# KiCad board Turbo_XT_Mainboard R3.kicad_pcb (continued)
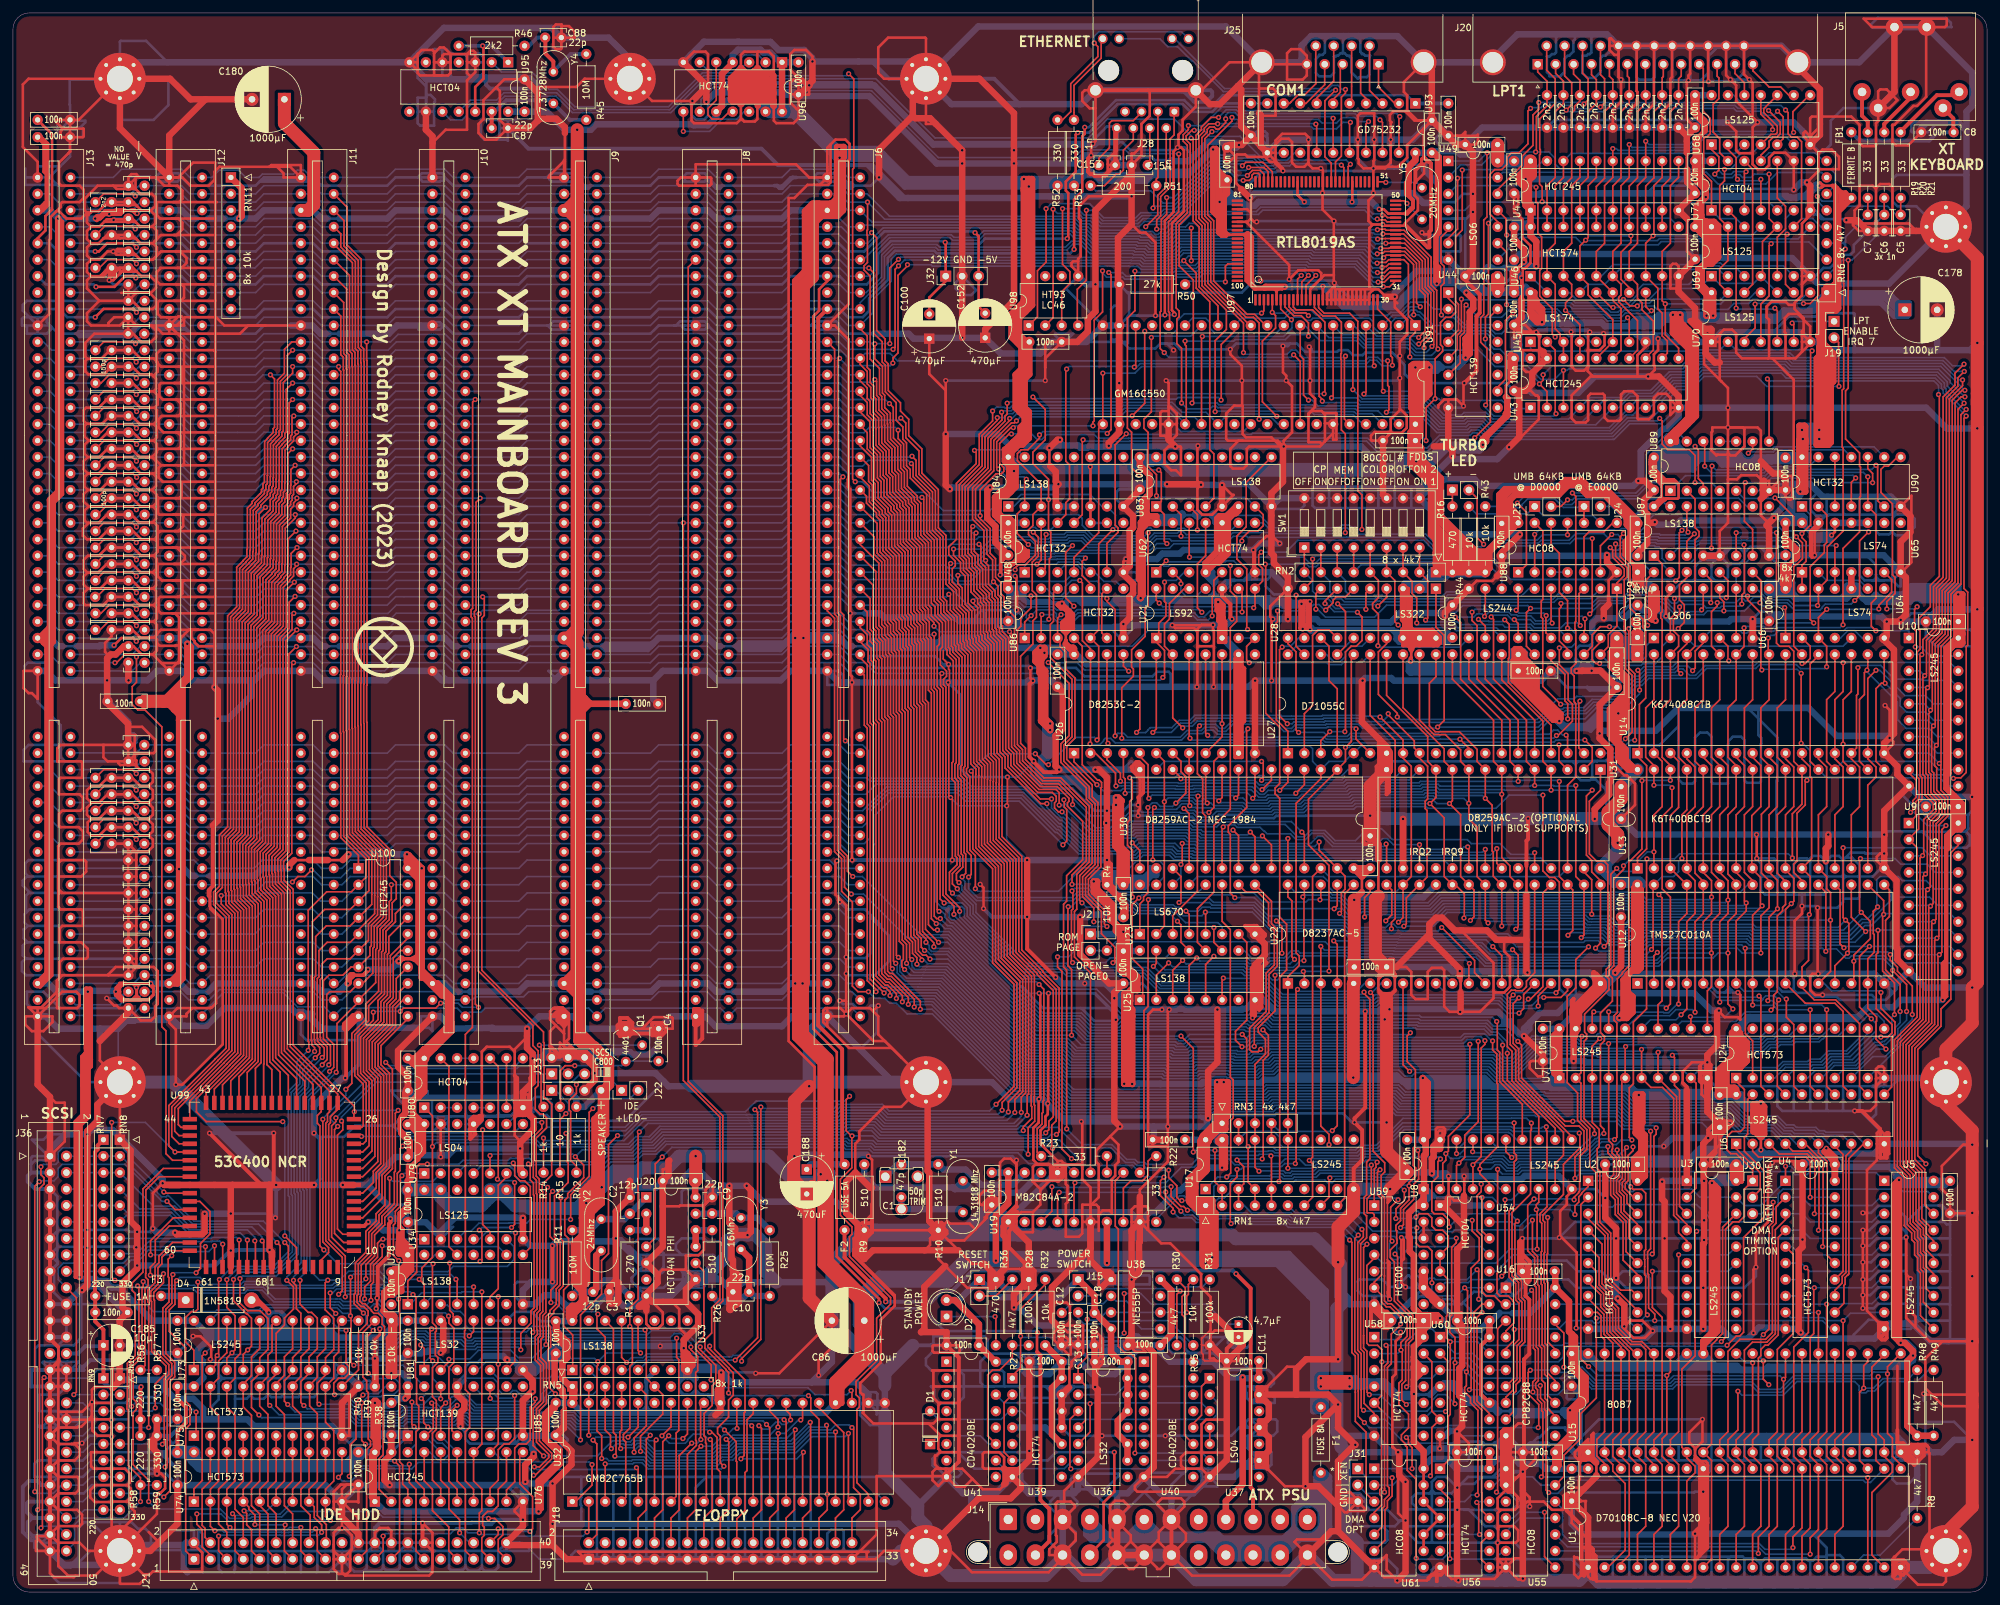
[diagram p0: board, top side]
## Routing (per net, layer and track width the routed paths; a pad name or vN(x,y) marks a point on that pad's centre or on a via; arc(x,y) is an arc through that point) (continued)
  Bottom w0.4: 39.12,42.93 39.12,42.8 ; 39.12,42.93 39.12,43.31 40.51,43.31 ; 39.12,42.93 39.37,43.18 v1(39.5,43.18) ; 39.12,42.93 39.3,42.74 39.3,41.33 38.92,40.96 ; 39.12,42.8 v1(39.5,43.18) ; 39.12,42.8 39.37,42.55 39.37,41.4 ; 29.28,36.13 29.28,35.74 ; 29.28,36.13 28.58,36.83 28.58,37.08 ; 29.28,36.13 29.59,35.81 29.59,35.18 29.28,34.87 29.28,34.47 ; 29.28,35.74 29.28,34.47 ; 29.28,35.74 29.28,34.87 ; 29.28,35.74 28.58,36.44 28.58,37.08 ; 29.28,35.74 29.28,34.98 ; U33.6 97.66,32.89 97.66,32.38 97.72,32.33 97.72,31.17 97.66,31.12 97.66,29.84 97.72,29.79 97.72,28.63 97.66,28.58 ; U33.6 97.92,33.15 97.92,32.38 ; U33.6 99.06,33.78 97.92,32.64 97.92,32.38 ; 97.92,32.38 97.86,32.33 97.86,31.17 97.92,31.12 97.92,29.84 97.86,29.79 97.86,28.63 97.92,28.58 ; 41.53,41.02 41.21,40.7 ; 41.53,41.02 41.53,40.51 41.15,40.13 40.64,40.13 39.37,41.4 ; 41.53,41.02 41.98,41.47 ; 41.21,40.7 40.64,40.13 40.51,40.13 ; 41.21,40.7 41.15,40.64 40,40.64 ; 39.5,42.67 40,43.18 ; 40,43.18 40.64,43.18 ; 40,43.18 v1(39.5,43.18) ; 91.06,146.05 88.9,146.05 ; 21.27,147.32 19.56,147.32 v1(19.05,146.81) ; 222.5,40.39 222.5,40.64 220.85,42.29 v1(220.34,42.29) ; 41.98,41.47 41.98,42.35 ; 41.98,41.47 41.98,41.33 43.18,40.13 43.31,40.13 ; 41.98,41.47 41.98,41.22 ; 41.98,42.35 41.98,42.74 42.04,42.8 41.53,43.31 40.51,43.31 ; 41.98,42.35 41.98,42.48 41.91,42.55 ; 184.15,157.35 185.42,156.08 185.42,154.43 184.78,153.8 184.78,153.67 ; 219.84,60.96 218.57,62.23 U8.1 ; 219.84,60.96 220.85,60.96 ; 219.84,60.96 219.46,60.96 ; 40.64,43.18 41.27,43.18 ; 40.64,43.18 41.15,43.18 ; 29.14,34.36 29.14,35.41 28.83,35.72 28.83,35.81 ; 29.14,34.36 29.14,32.84 29.15,32.83 ; 29.14,34.36 29.14,35.5 28.83,35.81 ; 40,40.64 40.51,40.13 ; 40,40.64 39.44,41.21 39.44,42.49 ; v1(39.5,43.18) 41.15,43.18 ; v1(39.5,43.18) 39.44,43.12 39.44,42.49 ; 41.15,43.18 41.27,43.18 ; 41.15,43.18 41.46,42.86 ; 41.15,43.18 41.21,43.12 ; 28.83,35.81 29.28,35.36 29.28,34.98 ; 41.27,43.18 41.34,43.12 ; 41.27,43.18 41.91,42.55 ; 41.34,43.12 41.91,42.55 ; 41.34,43.12 41.21,43.12 ; 29.28,34.87 29.28,34.98 ; 29.28,34.87 29.28,34.47 ; U48.9 U48.10 ; 28.58,37.08 28.58,37.42 ; 185.49,166.3 180.89,166.3 180.83,166.24 ; 39.44,42.49 40.06,43.11 41.22,43.11 41.46,42.86 ; 221.23,60.96 221.4,60.96 ; 221.23,60.96 221.49,60.96 ; 221.23,60.96 220.85,60.96 ; 221.4,60.96 221.4,60.94 222,60.34 222,60.2 ; 221.4,60.96 220.85,60.96 ; v1(238.76,134.49) 238.51,134.75 238.25,134.75 238.25,134.24 239.27,133.22 242.19,133.22 ; U8.1 219.07,60.96 ; U8.1 218.19,62.23 219.46,60.96 ; 229.49,27.94 231.39,27.94 ; 39.37,41.4 38.61,40.64 38.61,40.13 ; 39.37,41.4 39.37,41.27 ; 39.37,41.4 38.92,40.96 ; 109.6,92.71 111.25,92.71 ; 70.74,146.05 68.58,146.05 ; 68.96,212.09 70.74,212.09 ; 29.28,34.47 29.28,33.71 29.43,33.56 29.43,33.12 29.28,33.27 ; 40.51,40.13 39.37,41.27 ; 39.37,41.27 39.37,42.29 ; 240.35,28.01 v1(240.41,28.07) ; 28.32,92.71 30.1,92.71 30.1,92.46 ; 38.92,40.96 38.1,40.13 37.46,40.13 ; 98.7,27.71 97.92,28.5 97.92,28.58 ; C91.1 81.49,41.83 80.07,43.25 77.54,43.25 U81.9 U81.10 ; 220.6,189.1 220.66,189.16 223.08,189.16 ; 131.7,146.05 129.54,146.05 ; 6.98,92.71 7.87,92.71 ; 6.98,92.71 7.49,92.71 7.75,92.96 ; 6.98,92.71 6.73,92.71 ; 7.87,92.71 9.78,92.71 ; 7.87,92.71 7.98,92.6 9.45,92.6 9.56,92.49 9.78,92.71 9.78,92.71 ; 48.64,212.09 50.42,212.09 ; 222,60.2 223.9,60.2 ; 222,60.2 221.87,60.2 221.74,60.32 221.74,60.71 221.49,60.96 ; 97.92,28.58 97.66,28.58 ; 97.92,28.58 97.92,27.69 ; 97.66,28.58 96.8,27.71 ; 97.66,28.58 97.66,27.69 ; 27.3,146.05 v1(26.92,146.43) ; v1(196.34,201.55) 196.4,201.61 v1(202.25,201.61) ; 231.52,43.05 231.46,43.11 229.55,43.11 ; 111.76,146.05 109.22,146.05 ; 40.51,43.31 41.02,43.31 41.46,42.86 ; 69.09,92.71 70.61,92.71 ; 217.04,30.48 218.82,30.48 ; 30.08,110.6 28.21,110.6 28.19,110.62 ; v1(21.27,93.98) 19.69,93.98 v1(19.06,93.35) ; 225.04,59.69 225.04,59.94 224.03,60.96 223.14,60.96 ; 9.78,92.71 9.56,92.93 9.45,92.82 8.33,92.82 8.22,92.93 8,92.71 ; 41.21,43.12 41.46,42.86 ; 223.14,60.96 223.52,60.58 ; 223.14,60.96 220.85,60.96 ; 30.1,146.05 27.94,146.05 ; 41.98,41.22 43.07,40.13 43.94,40.13 ; 41.98,41.22 41.98,39.3 41.99,39.29 ; 13.93,48.22 14.03,48.22 14.6,47.65 ; 89.28,212.09 91.06,212.09 ; 41.46,42.86 41.84,42.49 41.84,40.71 41.99,40.56 ; 280.16,163.45 280.42,163.19 v1(280.8,163.19) ; 219.46,60.96 219.07,60.96 ; 221.49,60.96 221.87,60.96 222.25,60.58 ; 8,212.09 9.78,212.09 ; 27.46,110.62 27.69,110.62 27.71,110.6 ; 15.46,146.05 v1(15.6,146.19) ; v1(186.31,214.66) 186.61,214.36 ; 237.05,27.87 239.2,27.87 239.39,28.07 ; 219.07,60.96 218.57,60.96 217.81,60.2 U59.14 219.07,60.96 ; 15.22,47.03 14.8,47.03 13.61,48.22 13.3,48.22 12.87,48.64 v1(10.29,48.64) ; 28.32,212.09 30.1,212.09 ; 48.77,92.71 50.29,92.71 ; 109.6,212.09 111.38,212.09 ; 27.05,92.71 27.16,92.82 30.21,92.82 30.74,93.34 30.74,93.09 30.1,92.46 ; 274.7,167.13 274.7,166.84 275.1,166.44 276.5,166.44 276.97,165.97 276.97,164.5 277.98,163.49 277.98,163.35 U65.14 276.22,164.72 277.69,163.26 277.69,162.88 ; 21.27,213.36 19.68,213.36 19.2,212.87 v1(19.16,212.87) ; 50.42,146.05 48.26,146.05 ; 27.69,92.71 27.94,92.46 28.51,92.46 28.65,92.6 29.77,92.6 29.91,92.46 30.1,92.46 30.1,92.46 ; 89.28,92.71 90.93,92.71 ; 9.78,146.05 7.62,146.05 ; 24.06,93.91 J12.78 ; 32.77,212.09 34.54,212.09
  Bottom w0.6: 155.64,153.48 155.83,153.48 156.37,152.94 ; 155.64,153.48 154.24,153.48 153.67,154.05 ; 155.64,153.48 156.02,153.1 156.21,153.1 ; 155.64,153.48 155.07,154.05 ; C61.1 250.82,146.43 247.4,146.43 247.4,147.07 U29.20 248.92,147.32 ; C61.1 251.21,147.02 251.21,146.18 ; C61.1 250.49,147.07 248.67,147.07 ; C61.1 250.75,147.32 ; 184.66,153.16 184.9,152.92 ; 184.66,153.16 186.18,153.16 186.56,153.54 ; 184.66,153.16 183.01,153.16 ; 184.9,152.92 184.78,153.03 184.78,153.8 ; 184.9,152.92 185.49,152.92 185.52,152.88 v1(186.09,152.88) ; 157.13,152.75 156.56,152.75 156.37,152.94 ; 157.13,152.75 156.92,152.75 156.68,152.99 ; 157.13,152.75 157.64,152.75 157.97,153.07 ; 194.56,152.4 194.56,152.27 194.31,152.02 193.24,152.02 192.38,152.88 ; 194.56,152.4 195.71,152.4 ; 194.56,152.4 193.93,152.4 ; 185.93,153.8 186.18,153.54 ; 185.93,153.8 186.09,153.64 190.78,153.64 ; 185.93,153.8 185.42,154.31 185.42,154.43 ; 154.05,147.19 153.29,147.19 152.91,147.57 143.64,147.57 143.19,147.13 ; 154.05,147.19 154.05,147.07 153.8,146.81 153.29,146.81 ; 154.05,147.19 154.69,146.56 ; 215.18,155.92 217.34,155.92 ; 215.18,155.92 214.63,155.37 U28.3 ; 215.18,155.92 214.84,155.92 ; 217.34,155.92 218.19,155.92 ; 217.34,155.92 217.53,155.92 218.69,157.08 218.69,157.61 219.07,157.99 226.82,157.99 R43.1 227.33,156.97 219.24,156.97 218.65,156.38 ; v1(247.86,135.68) 247.86,135.34 247.52,135 247.14,135 ; v1(247.86,135.68) 247.86,135.04 ; v1(247.86,135.68) 247.95,135.76 248.41,135.76 ; 218.19,155.57 218.19,154.56 215.01,154.56 U28.3 ; 218.19,155.57 218.19,155.92 ; 218.19,155.57 215.26,155.57 U28.3 ; U14.32 251.33,144.78 251.46,144.91 251.46,145.54 ; U14.32 250.44,145.16 246.89,145.16 ; U14.32 250.82,144.27 246.89,144.27 246.89,145.16 ; U14.32 247.73,144.78 C50.1 ; 279.4,67.94 v1(279.98,68.52) ; 279.4,67.94 279.14,67.94 ; 279.4,67.94 279.15,67.69 ; 161.08,152.74 161.08,152.61 161.42,152.27 162.69,152.27 162.69,152.27 162.69,152.74 ; 161.08,152.74 157.39,152.74 157.21,152.92 ; 161.08,152.74 162.33,152.74 163.05,153.47 164.16,153.47 ; 161.08,152.74 162.69,152.74 ; 186.56,153.54 190.18,153.54 190.28,153.64 190.78,153.64 ; 186.56,153.54 185.93,153.54 ; 242.95,133.22 240.03,133.22 v1(238.76,134.49) ; 242.95,133.22 243.46,133.22 244.92,134.68 ; 242.95,133.22 243.33,133.22 243.59,132.97 245.11,134.49 245.11,134.87 ; 168.48,152.52 168.47,152.53 164.97,152.53 ; 168.48,152.52 167.99,153 ; 168.48,152.52 169.34,152.52 ; 164.66,152.84 164.66,152.97 164.16,153.46 ; 164.66,152.84 164.81,153 167.99,153 ; 164.66,152.84 164.97,152.53 ; 185.93,153.54 185.42,154.05 185.29,153.92 185.29,153.16 185.01,152.88 ; 185.93,153.54 183.39,153.54 183.01,153.16 ; 157.82,152.92 160.12,152.92 160.3,152.74 159.97,153.07 157.97,153.07 ; 157.82,152.92 157.97,153.07 ; 157.82,152.92 157.21,152.92 ; v1(186.09,152.88) 190.73,152.88 ; v1(186.09,152.88) 186.49,153.28 191.13,153.28 ; v1(186.09,152.88) 185.01,152.88 ; 190.73,152.88 191.13,153.28 ; 190.73,152.88 192.38,152.88 ; 185.42,155.57 185.42,155.45 ; 185.42,155.57 185.67,155.83 185.67,156.21 184.4,157.48 U62.4 184.15,156.84 185.42,155.57 ; 247.86,135.04 248.07,135.04 248.41,135.38 248.41,135.76 ; 247.86,135.04 247.82,135 247.14,135 ; 223.46,202.09 223.46,201.61 ; 223.46,202.09 222.93,202.61 ; 223.46,202.09 223.94,201.61 224.47,201.61 ; 159.8,145.58 163.03,145.58 U26.24 163.83,145.29 163.07,146.05 163.04,146.02 156.81,146.02 156.59,145.8 ; 167.99,153 167.53,153.46 164.16,153.46 ; RN6.1 279.78,200.66 276.99,197.87 273.75,197.87 272.99,197.1 v1(262.51,197.1) v1(261.49,197.1) ; 218.19,155.92 218.65,156.38 ; 222.93,202.61 222.55,202.61 222.5,202.56 222.88,202.56 222.93,202.61 ; 154.69,146.56 132.33,146.56 132.21,146.69 ; 154.69,146.56 154.69,146.34 155.23,145.8 155.7,145.8 ; v1(19.16,212.87) 19.65,213.36 19.68,213.36 ; U62.13 180.21,166.24 180.83,166.24 ; U21.5 187.58,147.32 187.58,147.05 189.23,145.4 U26.14 189.23,143.89 187.96,142.62 179.2,142.62 178.55,143.27 ; v1(159.26,145.03) 161.04,145.03 C52.1 ; 192.59,152.78 192.09,153.28 191.13,153.28 ; 192.59,152.78 192.98,152.4 193.93,152.4 ; 192.59,152.78 192.91,152.78 ; 278.89,216.66 279.4,217.17 279.02,217.55 278.76,217.55 276.99,215.77 275.84,215.77 275.48,215.41 ; 278.89,216.66 278.38,216.66 278.32,216.6 ; 278.89,216.66 278.83,216.73 278.45,216.73 ; 217.04,30.48 216.41,30.48 v1(216.3,30.58) ; 192.91,152.78 192.81,152.88 192.38,152.88 ; 192.91,152.78 200.09,152.78 v1(200.25,152.95) ; v1(261.37,215.41) 261.37,215.52 261.62,215.77 273.94,215.77 274.3,215.41 ; v1(261.37,215.41) 274.3,215.41 ; v1(261.37,215.41) 261.38,215.41 ; 279.14,67.94 278.89,67.69 ; 279.14,67.94 279.12,67.91 278.48,67.91 278.27,67.7 278.22,67.7 278.38,67.55 279,67.55 279.15,67.69 279.15,67.69 ; 156.68,152.99 156.75,152.92 157.21,152.92 ; 156.68,152.99 156.25,153.42 156.21,153.42 ; v1(12.7,212.09) 13.33,212.73 14.82,212.73 v1(14.87,212.78) ; 154.37,154.24 154.56,154.43 155.19,154.43 ; 154.37,154.24 C36.1 ; 154.37,154.24 154.56,154.05 ; 230.89,201.17 227.08,201.17 ; 155.83,154.05 155.83,153.48 156.21,153.1 ; 155.83,154.05 155.83,154.69 156.08,154.94 U86.14 156.21,153.42 ; 155.83,154.05 155.57,154.05 ; v1(269.88,68.26) 269.47,67.85 ; v1(269.88,68.26) 269.57,68.26 269.23,67.91 269.23,67.7 269.28,67.66 ; v1(269.88,68.26) 270.44,67.7 271.13,67.7 270.73,67.7 270.18,68.26 v1(269.88,68.26) ; 269.47,67.85 269.01,67.85 268.61,67.44 268.61,67.31 268.93,67.31 ; 269.47,67.85 269.28,67.66 ; 269.47,67.85 269.44,67.82 263.52,67.82 ; 248.41,135.76 248.41,134.75 248.35,134.68 244.92,134.68 ; 176.63,153.64 170.83,153.64 170.78,153.68 170.38,153.68 169.91,153.21 169.91,153.09 169.34,152.52 ; 176.63,153.64 176.09,153.1 ; 176.63,153.64 177.38,153.64 ; 248.92,147.32 250,147.32 250.61,147.94 251.35,147.94 251.59,147.7 251.59,146.56 ; 248.92,147.32 248.67,147.07 ; 248.92,147.32 248.54,147.32 ; 279.15,67.69 278,67.69 ; 111.51,146.05 112.14,145.41 118.49,145.41 119.44,146.37 ; 111.51,146.05 112.14,146.69 119.38,146.69 119.44,146.75 ; 111.51,146.05 111.38,146.05 ; 163.09,153.14 164.36,153.14 164.59,152.91 ; 163.09,153.14 162.69,152.74 ; 163.09,153.14 163.37,153.43 163.83,153.43 ; 180.59,153.16 183.01,153.16 ; 180.59,153.16 180.12,153.64 177.38,153.64 ; 180.59,153.16 177.86,153.16 ; 132.21,146.69 132.59,147.07 141.48,147.07 141.86,146.69 141.99,146.81 142.88,146.81 143.19,147.13 ; 132.21,146.69 131.7,146.18 131.7,146.05 ; 246.89,145.92 251.46,145.92 ; 246.89,145.92 246.89,146.43 ; 246.89,145.92 246.89,145.54 ; 251.46,145.92 251.46,146.43 251.59,146.56 ; 251.46,145.92 251.46,145.54 ; 251.46,145.92 251.21,146.18 ; 274.3,215.41 275.48,215.41 ; 176.09,153.1 175.5,152.52 170.04,152.52 ; 176.09,153.1 170.62,153.1 170.04,152.52 ; 164.59,152.91 164.16,153.34 164.16,153.47 ; 164.59,152.91 164.97,152.53 ; 200.94,148.62 201.45,148.62 ; 200.94,148.62 200.94,148.69 200.53,149.1 200.02,149.1 199.9,148.97 199.9,148.62 199.99,148.62 200.41,148.21 200.89,148.21 201.31,148.62 201.45,148.62 ; 200.94,148.62 200.44,148.62 200.28,148.46 v1(200.28,148.59) 200.41,148.72 213.15,148.72 214.55,147.32 U28.18 ; 201.45,148.62 212.71,148.62 213.64,147.7 213.64,147.17 ; 120.01,147.32 120.01,147.57 120.4,147.96 127,147.96 127.63,147.32 ; 214.84,155.92 214.63,155.7 U28.3 ; 214.84,155.92 214.84,155.36 215.26,154.94 ; 195.71,152.4 195.96,152.15 199.52,152.15 199.7,152.33 199.7,152.4 ; 195.71,152.4 198.75,152.4 ; 251.21,146.18 251.59,146.56 ; 153.67,154.05 154.56,154.05 ; 153.67,154.05 C36.1 ; 154.56,154.05 155.07,154.05 ; 269.28,67.66 268.93,67.31 ; 247.14,135 245.24,135 245.11,134.87 ; C33.1 63.42,72.18 63.5,72.26 ; 177.38,153.64 177.86,153.16 ; 177.86,153.16 178.14,152.88 185.01,152.88 ; 246.89,147.96 247.01,148.08 247.9,148.08 248.54,147.45 248.54,147.32 ; 246.89,147.96 246.89,146.43 ; 246.89,147.96 247.52,147.96 248.16,147.32 248.54,147.32 ; 277.69,162.88 277.69,162.5 277.88,162.31 280.67,162.31 280.8,162.43 ; 277.69,162.88 280.35,162.88 280.8,162.43 ; 277.69,162.88 277.69,163.64 277.98,163.35 279.12,163.35 279.27,163.19 279.53,163.45 280.54,163.45 v1(280.8,163.19) 280.8,162.43 ; 188.43,143.98 188.34,144.07 188.34,145.67 ; 155.19,154.43 155.57,154.05 ; 155.19,154.43 154.69,154.94 C36.1 ; 155.57,154.05 155.07,154.05 ; 278.32,216.6 277.5,215.77 ; 278.32,216.6 278.45,216.73 ; 156.37,152.94 156.21,153.1 ; 198.75,152.4 v1(198.95,152.59) 199.3,152.95 v1(200.25,152.95) ; 198.75,152.4 199.7,152.4 ; 164.16,153.46 164.16,153.47 ; 119.44,146.75 127.95,146.75 128.08,146.88 ; 119.44,146.75 119.44,146.37 ; 91.44,145.41 91.44,145.67 91.06,146.05 ; 91.44,145.41 98.04,145.41 98.87,146.24 98.87,146.49 91.51,146.49 91.06,146.05 ; 91.44,145.41 91.06,145.79 91.06,146.05 ; 192.31,153.64 193.55,152.4 193.93,152.4 ; 192.31,153.64 192.82,153.64 ; 192.31,153.64 190.78,153.64 ; 30.08,110.6 30.1,110.62 30.48,110.62 ; 156.21,153.42 156.21,153.1 ; 39.29,39.29 39.37,39.37 39.37,41.27 ; 275.48,215.41 277.13,215.41 ; 251.46,145.54 246.89,145.54 ; 246.89,145.54 246.89,145.16 ; 246.89,146.43 248.03,146.43 248.67,147.07 ; 278.45,216.73 v1(278.89,217.17) ; R16.1 221.15,156.38 218.65,156.38 ; 192.82,153.64 193.17,153.29 194.31,153.29 ; 192.82,153.64 193.96,153.64 194.31,153.29 ; v1(200.25,152.95) 197.44,152.95 197.1,153.29 194.31,153.29 ; v1(200.25,152.95) 199.7,152.4 ; U80.14 C30.1 ; v1(10.29,48.64) 10.71,48.22 14.39,48.22 14.6,48.01 ; 245.11,134.87 244.92,134.68 ; 119.44,146.37 120.4,147.32 ; 268.93,67.31 264.29,67.31 264.16,67.18 ; v1(220.34,42.29) 220.6,42.29 222.5,40.39 ; 169.34,152.52 170.04,152.52 ; 153.29,146.81 152.97,147.13 143.19,147.13 ; 153.29,146.81 143.51,146.81 143.19,147.13 ; v1(210.95,213.53) 210.44,214.04 ; v1(39.5,43.18) 39.5,42.67 39.37,42.55 39.37,42.29 ; v1(250.95,155.45) 250.7,155.7 250.44,155.7 250.44,155.19 250.59,155.05 252.47,155.05 252.58,154.94 U66.14
  Bottom w1: U95.14 C37.1 82.42,228.6 85.22,225.81 v1(87.12,225.81) 89.22,225.81 90.06,226.65 104.94,226.65 105.1,226.5 107.3,226.5 108.58,227.78 U96.10 110.35,230.37 114.44,230.37 ; U62.10 187.13,165.54 187.13,165.84 187.67,166.37 187.67,166.4 ; U62.10 185.29,166.5 185.1,166.3 185.65,165.75 185.65,165.25 ; U62.10 186.69,165.61 186.88,165.61 187.67,166.4 ; U62.10 185.8,165.1 185.65,165.25 ; 187.67,166.4 187.41,166.14 185.65,166.14 ; 187.67,166.4 188.91,167.64 U83.6 ; 258.06,175.51 256.92,176.66 ; 258.06,175.51 258.57,175.01 260.35,175.01 ; 258.06,175.51 258.27,175.72 ; 256.92,176.66 256.92,177.67 ; 256.92,176.66 U89.14 ; 186.88,217.49 186.31,216.92 v1(186.31,214.66) 187.55,214.66 ; 186.88,217.49 C73.1 187.55,217.96 187.55,216.5 ; 186.88,217.49 186.88,215.33 187.55,214.66 ; U12.32 C81.1 247.14,109.22 246.63,109.73 246.63,109.92 245.11,111.44 U31.28 247.01,109.85 246.38,110.49 246.38,113.03 246.38,111.38 247.78,109.98 249.94,109.98 ; U12.32 250.82,109.98 249.94,109.98 ; U12.32 250.95,109.09 251.59,109.09 251.59,109.6 251.21,109.98 249.94,109.98 ; U34.13 67.33,60.81 67.33,60.6 ; 290.73,64.67 289.74,65.66 ; 290.73,64.67 290.73,64.11 v1(291.21,63.63) ; 290.73,64.67 291.21,64.19 v1(291.21,63.63) ; 289.74,65.66 290.58,65.66 291.21,65.02 v1(291.21,63.63) ; 289.74,65.66 281.69,65.66 C72.1 ; 114.44,230.37 115.33,230.37 116.46,229.24 121.16,229.24 v1(127.57,222.82) ; 114.44,230.37 U96.13 ; 255.9,175.13 256.67,175.13 ; 255.9,175.13 U89.14 ; 255.9,175.13 255.9,174.5 ; 256.67,175.13 254.38,175.13 ; 256.67,175.13 257.05,175.13 ; U61.14 217.81,19.37 218.98,20.55 221.71,20.55 221.85,20.41 221.85,20.09 222.88,19.05 U56.14 227.96,19.37 229.14,20.55 231.87,20.55 232.6,19.81 235.84,19.81 236.6,19.05 U55.14 C40.1 U1.40 ; 229.62,200.66 C43.1 U45.16 234.31,200.79 233.55,201.55 231.27,201.55 230.38,200.66 229.62,200.66 ; 229.62,200.66 U44.16 227.84,200.66 ; 175.07,110.3 174.75,110.3 174.71,110.26 ; 175.07,110.3 U30.16 ; 175.07,110.3 U23.16 ; 175.07,110.3 175.64,110.87 175.64,111.76 ; v1(156.84,217.04) 137.73,217.04 133.28,221.49 ; v1(156.84,217.04) 156.97,217.17 157.99,217.17 ; v1(156.84,217.04) 157.73,217.93 157.73,218.19 ; v1(156.84,217.04) 157.48,217.68 162.81,217.68 163.32,217.17 R53.1 ; v1(156.84,217.04) 157.86,217.04 157.99,217.17 ; v1(156.84,217.04) 156.21,217.68 137.92,217.68 133.1,222.5 ; 274.76,169.1 274.89,169.23 ; 274.76,169.1 274.7,169.04 274.7,165.1 ; 274.76,169.1 274.45,168.78 274.45,167.02 ; 274.89,169.23 275.59,169.93 v1(275.97,169.93) 275.97,169.42 275.78,169.23 274.89,169.23 ; v1(297.94,91.44) 291.46,91.44 290.32,90.3 286.38,90.3 284.86,88.77 ; C51.1 U68.14 ; 279.72,199.58 280.16,200.03 288.93,200.03 ; 279.72,199.58 280.03,199.9 RN6.1 281.7,200.66 281.82,200.53 289.56,200.53 290.07,200.03 ; 279.72,199.58 279.15,199.01 ; 233.55,142.75 216.79,142.75 v1(215.8,143.73) ; 233.55,142.75 233.55,141.99 215.77,141.99 ; 233.55,142.75 233.55,143.64 ; U6.20 267.33,75.56 ; U6.20 266.76,76.14 ; U6.20 266.83,76.84 266.83,76.39 267.88,75.33 268.2,75.33 ; U6.20 263.6,76.84 C44.1 v1(251.03,76.75) 250.57,77.22 ; 267.33,75.56 266.76,76.14 ; 267.33,75.56 267.57,75.33 268.2,75.33 ; 259.42,175.72 254.97,175.72 254.38,175.13 ; 259.42,175.72 258.27,175.72 ; 259.42,175.72 262.43,175.72 ; 182.95,166.3 182.95,166.12 ; 182.95,166.12 182.95,166.62 ; 182.95,166.12 183.2,166.37 ; 182.95,166.12 182.81,166.12 182.54,166.39 ; 254.38,175.13 253.41,175.13 C93.1 ; J13.3 5.71,213.36 v1(6.98,212.09) 8,212.09 ; U96.13 U96.14 120.52,228.6 v1(127.63,221.49) 133.28,221.49 ; U96.13 116.71,228.09 120.4,228.09 127.14,221.35 133.14,221.35 133.28,221.49 ; 195.07,79.12 193.15,79.12 192.64,78.61 188.09,78.61 ; 195.07,79.12 205.36,79.12 ; 195.07,79.12 195.07,79.12 195.71,79.76 207.26,79.76 ; 262.89,196.47 263.27,196.85 272.41,196.85 273.43,197.87 ; 262.89,196.47 254.76,196.47 ; 262.89,196.47 262.25,197.1 v1(261.49,197.1) ; 177.42,174.37 174.88,174.37 C39.1 ; 177.42,174.37 178.44,173.35 ; 177.42,174.37 U83.16 ; v1(54.86,57.15) 55.88,57.15 57.18,55.85 v1(59.66,55.85) ; 185.67,156.21 185.17,156.72 185.17,157.48 U62.4 184.15,157.35 ; U89.14 255.4,177.67 253.37,175.64 C93.1 ; U89.14 255.9,176.91 255.14,176.15 ; U89.14 256.92,177.67 ; 234.1,195.8 234.38,196.09 ; 234.1,195.8 233.52,195.23 ; 234.1,195.8 234.21,195.91 238.84,195.91 ; 234.38,196.09 v1(236.09,196.09) 238.67,196.09 238.84,195.91 ; 234.38,196.09 234.31,196.09 233.68,196.72 233.68,196.85 ; 288.46,153.47 288.43,153.5 287.25,153.5 287.19,153.44 285.66,153.44 ; 288.46,153.47 288.49,153.44 289.58,153.44 ; 288.46,153.47 288.17,153.47 287.62,154.02 286.51,152.91 ; 155.49,173.76 v1(166.35,173.76) 171.55,173.76 ; 155.49,173.76 155.81,173.76 156.34,173.23 ; 155.49,173.76 153.99,175.26 U84.16 ; 155.49,173.76 155.01,174.24 153.67,174.24 U84.16 ; 155.49,173.76 153.44,173.76 ; v1(166.88,109.73) 166.88,110.62 167.26,111 170.81,111 ; v1(166.88,109.73) 167.41,109.73 167.41,109.94 168.17,110.7 168.17,110.72 ; v1(166.88,109.73) 167.87,110.72 168.17,110.72 ; 217.3,142.24 C65.1 U27.26 ; 217.3,142.24 216.76,142.78 215.8,142.78 ; 217.3,142.24 v1(215.8,143.73) ; v1(248.03,88.65) 247.88,88.5 240.26,88.5 U7.20 C84.1 ; 158.76,127.12 158.76,126.49 159.63,125.61 160.39,125.61 ; 158.76,127.12 158.91,127.12 159.77,126.27 159.77,126.24 160.39,125.61 ; 158.76,127.12 158.76,128.26 ; 210.44,214.04 210.4,214.04 209.77,214.66 v1(206.76,214.66) v1(199.39,214.66) 192.31,214.66 191.71,214.06 190.51,214.06 190.32,214.25 190.12,214.25 189.71,214.66 ; C92.1 U48.14 ; v1(233.29,205.34) 233.9,204.72 v1(235.2,204.72) ; U46.20 231.85,210.82 C63.1 ; U46.20 234.24,210.74 C63.1 ; U46.20 233.81,211.33 231.77,211.33 C63.1 ; C66.1 222.17,147.32 U28.20 U28.19 U28.18 ; C66.1 222.17,147.4 221.49,148.08 215.39,148.08 ; C66.1 221.58,146.73 214.08,146.73 213.64,147.17 213.64,148.23 ; 50.42,212.09 57.78,212.09 59.05,213.36 J10.3 66.67,213.36 67.94,212.09 68.96,212.09 ; C55.1 274.45,165.86 274.45,167.02 ; C55.1 273.12,165.67 273.11,165.67 273.69,166.24 273.69,166.26 ; C55.1 274.7,165.1 ; C55.1 273.69,166.26 ; U84.16 153.67,173.99 v1(154.56,173.1) 155.45,173.1 ; U84.16 153.42,175.26 153.16,175.01 153.44,174.73 153.44,173.76 ; 259.21,197.23 261.37,197.23 v1(261.49,197.1) ; 259.21,197.23 254.13,197.23 253.49,196.6 ; 259.21,197.23 v1(257.43,197.23) v1(256.29,197.23) 256.16,197.1 255.02,197.1 254.57,196.66 ; 259.59,36.83 U15.33 ; 259.59,36.83 260.22,36.83 261.49,35.56 ; 259.59,36.83 259.59,35.69 259.71,35.56 ; 259.59,36.83 U15.34 ; U15.33 259.71,35.56 ; U15.33 263.08,34.73 ; 180.5,166.53 179.96,165.99 176.53,165.99 U62.14 U62.13 179.2,165.23 180.09,165.23 ; 180.5,166.53 180.66,166.37 180.09,165.8 180.09,165.23 ; 180.5,166.53 180.09,166.12 180.09,165.23 ; U21.5 U26.14 187.72,143.27 172.9,143.27 172.88,143.29 171.74,143.29 171.73,143.28 165.72,143.28 164.22,144.78 U26.24 C52.1 160.49,145.58 159.8,145.58 v1(159.26,145.03) 159.26,145.16 v1(158.62,145.8) 131.95,145.8 131.7,146.05 ; 97.07,65.5 92.68,65.5 86.41,59.23 86.16,59.23 ; 173.2,173.76 172.67,173.23 156.34,173.23 ; 173.2,173.76 171.55,173.76 ; 173.2,173.76 172.55,173.1 155.45,173.1 ; 173.2,173.76 173.71,173.76 174.2,174.24 175.89,174.24 175.89,174.62 U83.16 ; 155.57,173.23 153.97,173.23 ; 155.57,173.23 155.45,173.1 ; 155.57,173.23 156.34,173.23 ; 153.97,173.23 154.1,173.1 155.45,173.1 ; 153.97,173.23 153.44,173.76 ; 214.55,78.86 217.16,78.86 v1(217.68,79.38) ; 214.55,78.86 214.29,79.12 205.36,79.12 ; 214.55,78.86 213.65,79.76 207.26,79.76 ; 214.55,78.86 214.64,78.86 215.39,78.1 228.48,78.1 228.55,78.04 ; 88.94,60.54 88.94,60.49 v1(88.52,60.07) ; 266.76,76.14 266.44,76.46 265.3,76.46 ; 7.62,146.05 6.98,146.05 5.71,147.32 J13.29 ; 30.1,92.71 31.37,93.98 J11.78 46.35,93.98 47.62,92.71 48.77,92.71 ; U66.14 252.86,155.45 v1(250.95,155.45) ; 218.82,30.48 220.09,31.75 U60.4 ; 243.65,36 243.59,36.07 241.43,36.07 ; 243.65,36 245.11,34.54 255.9,34.54 256.69,35.33 256.94,35.33 ; 243.65,36 243.2,36.45 U15.40 ; 41.98,40.06 41.98,40.54 41.99,40.56 41.99,39.29 ; v1(291.46,38.48) 292.41,38.48 293.37,37.52 v1(293.37,36.51) ; 255.9,174.5 254.05,174.5 C93.1 ; 255.9,174.5 258.44,174.5 ; 259.46,173.35 253.37,173.35 253.37,173.99 ; 259.46,173.35 258.83,173.99 253.37,173.99 ; 259.46,173.35 259.46,173.99 259.97,174.5 ; 284.89,154.21 284.88,154.22 284.88,155.17 284.67,155.38 283.19,155.38 283.11,155.3 283.11,153.44 ; 284.89,154.21 283.88,154.21 283.11,153.44 ; 284.89,154.21 284.16,154.94 283.84,154.94 ; 284.89,154.21 285.66,153.44 ; U76.1 57.4,12.45 72.87,12.45 72.89,12.47 81.13,12.47 v1(81.15,12.45) ; v1(127.57,222.82) 127.89,222.5 ; v1(127.57,222.82) 133.54,222.82 133.86,222.5 ; 288.93,200.03 290.96,197.99 C178.1 ; 288.93,200.03 290.07,200.03 ; 279.15,199.01 278,197.87 273.43,197.87 ; 279.15,199.01 279.27,199.14 288.42,199.14 290.45,197.1 291.08,197.1 ; v1(55.88,29.21) 56.28,28.81 58.02,28.81 C89.1 58.71,29.21 59.4,29.9 v1(60.59,29.9) ; U7.1 237.74,79.38 237.74,79.25 236.54,78.04 ; U7.1 240.29,77.84 ; U7.1 238.76,77.85 238.75,77.84 ; U7.1 237.43,78.04 ; U87.16 252.31,167.64 250.82,166.15 C41.1 ; v1(202.25,201.61) 203.01,201.61 205.8,198.82 213.86,198.82 214.56,199.53 214.56,199.83 217.3,202.56 218.95,202.56 ; v1(202.25,201.61) 197.58,201.61 197.58,201.6 197.22,201.6 197.15,201.54 196.34,201.54 ; v1(202.25,201.61) 205.42,198.43 213.9,198.43 215.75,200.28 ; U64.14 274,154.94 274.92,154.02 ; U64.14 275.19,153.44 275.5,153.44 ; U64.14 C47.1 ; 239.7,195.91 242.49,195.91 242.59,196.01 245.27,196.01 ; 239.7,195.91 240.6,195.91 240.7,196.01 245.27,196.01 ; 239.7,195.91 238.84,195.91 ; 274.7,155.83 274.7,154.24 274.92,154.02 ; 274.7,155.83 272.03,155.83 C47.1 ; 274.7,155.83 270.89,155.83 ; 167.26,218.82 165.48,218.82 R53.1 ; 167.26,218.82 167.24,218.84 166.96,218.84 166.48,219.33 164.85,219.33 163.7,218.19 162.18,218.19 ; 167.26,218.82 167.26,218.57 167.89,217.93 175.01,217.93 176.4,219.33 181.86,219.33 181.99,219.46 ; 167.26,218.82 181.36,218.82 181.99,219.46 ; 111.38,212.09 118.75,212.09 120.01,213.36 J6.3 ; 91.06,212.09 98.42,212.09 99.69,213.36 J8.3 107.31,213.36 108.58,212.09 109.6,212.09 ; 286.78,34.65 286.42,34.29 263.52,34.29 ; 286.78,34.65 286.93,34.8 287.78,34.8 ; 286.78,34.65 287.46,35.33 288.84,35.33 288.85,35.33 292.19,35.33 v1(293.37,36.51) ; 268.22,88.77 267.84,88.77 U24.20 266.95,87 ; 268.22,88.77 284.86,88.77 ; 268.22,88.77 268.16,88.77 267.37,87.98 ; 245.27,196.01 245.82,195.46 249.56,195.46 ; 283.11,153.44 282.34,153.44 ; 283.11,153.44 283.84,154.18 283.84,154.94 ; 282.34,153.44 275.5,153.44 ; 282.34,153.44 283.84,154.94 ; 233.68,196.85 233.52,196.69 233.52,195.23 ; 233.68,196.85 237.9,196.85 238.84,195.91 ; v1(261.49,197.1) 265.3,197.1 ; 171.55,173.76 172.49,173.76 C39.1 ; 170.81,111 171.7,111 172.44,110.26 174.66,110.26 175.01,109.92 ; 170.81,111 171.45,110.36 ; 258.27,175.72 256.92,177.07 256.92,177.67 ; 276.22,178.82 276.22,177.66 ; 276.22,178.82 v1(276.22,179.45) ; 276.22,178.82 278.64,178.82 278.89,179.07 ; 276.22,177.66 278.89,177.66 v1(278.89,178.05) ; 276.22,177.66 276.22,177.93 v1(276.35,178.05) ; 276.22,177.66 275.84,177.66 275.84,180.09 278.89,180.09 v1(278.89,179.45) ; 223.46,201.61 226.63,201.61 227.58,200.66 227.84,200.66 ; 223.46,201.61 v1(224.41,200.66) 227.84,200.66 ; 223.46,201.61 222.91,202.16 ; 227.61,78.98 218.08,78.98 v1(217.68,79.38) ; 227.61,78.98 227.21,79.38 v1(217.68,79.38) ; 227.61,78.98 228.55,78.04 ; 169.39,110.72 169.95,110.72 C54.1 ; 169.39,110.72 169.63,110.72 170.41,109.94 170.41,109.5 ; 169.39,110.72 168.17,110.72 ; 34.54,212.09 v1(34.92,212.09) 37.46,212.09 38.73,213.36 J11.3 46.35,213.36 47.62,212.09 48.64,212.09 ; 160.15,130.11 160.15,129.29 159.72,128.86 159.35,128.86 158.76,128.26 ; 160.15,130.11 v1(160.15,134.11) 159.38,134.11 159.38,129.54 159.48,129.45 ; 160.15,130.11 159.48,129.45 ; 27.56,146.05 27.18,146.43 v1(26.92,146.43) ; 27.56,146.05 28.32,146.05 ; 27.56,146.05 27.94,146.05 ; 174.71,110.26 175.64,111.19 175.64,111.76 ; 174.71,110.26 171.55,110.26 171.45,110.36 ; 259.71,35.56 U15.34 ; 259.71,35.56 259.59,35.56 ; 259.71,35.56 261.49,35.56 ; 292.8,155 291.85,154.05 ; 292.8,155 293.24,154.56 300.35,154.56 ; 292.8,155 293.12,155.32 300.35,155.32 ; 291.85,154.05 v1(300.35,154.05) ; 291.85,154.05 290.19,154.05 289.58,153.44 ; 259.97,174.5 260.52,175.05 260.52,175.18 ; 259.97,174.5 258.44,174.5 ; 66.83,60.6 66.83,61.06 65.79,62.1 ; 66.83,60.6 67.33,60.6 ; 66.83,60.6 66.62,60.39 ; 182.95,166.62 182.76,166.62 182.54,166.39 ; 182.95,166.62 183.1,166.47 183.03,166.39 182.54,166.39 ; 257.68,34.67 258.44,35.43 U15.34 ; 257.68,34.67 256.59,34.67 255.93,35.33 ; 257.68,34.67 262.38,34.67 ; 267.46,174.75 268.39,174.75 268.82,175.18 C48.1 ; 267.46,174.75 266.45,174.75 266.19,175.01 263.14,175.01 ; 267.46,174.75 266.49,175.72 262.43,175.72 ; 50.08,39.29 49.23,40.13 39.5,40.13 ; 50.08,39.29 56.93,39.29 58.42,40.78 ; 50.08,39.29 41.99,39.29 ; 59.56,41.91 58.43,40.78 58.42,40.78 ; 59.56,41.91 R38.2 58.42,40.78 ; 59.56,41.91 C90.1 U81.14 ; 269.88,67.31 268.6,66.04 C32.1 264.41,66.04 262.76,67.69 260.35,67.69 258.7,66.04 C34.1 251.71,66.93 258.95,66.93 260.48,68.45 262.89,68.45 264.54,66.8 268.1,66.8 268.61,67.31 269.88,67.31 ; 269.88,67.31 v1(269.88,68.26) ; 269.88,67.31 270.27,67.7 278.22,67.7 278.23,67.71 ; 67.33,60.6 73.29,60.6 73.66,60.97 76.2,60.97 ; v1(170.31,121.54) 169.91,121.94 167.24,121.94 164.15,125.03 ; 109.6,92.71 108.58,92.71 107.31,93.98 J8.78 99.82,93.98 98.55,92.71 90.93,92.71 ; 228.6,29.21 228.6,28.83 229.49,27.94 229.24,27.94 ; 228.6,29.21 U60.10 ; 228.6,29.21 228.85,28.96 ; 262.63,76.46 250.61,76.46 249.42,77.64 249.42,77.84 248.91,77.84 ; 262.63,76.46 265.3,76.46 ; 262.63,76.46 261.87,77.22 250.57,77.22 ; 8,92.71 6.73,92.71 5.46,93.98 J13.78 ; v1(278.89,178.05) 278.89,179.07 ; v1(278.89,178.05) v1(276.35,178.05) ; 278.89,179.07 v1(278.89,179.45) ; 260.52,175.18 262.97,175.18 ; 260.52,175.18 260.35,175.01 ; 253.37,173.99 C93.1 ; U15.34 257.37,35.75 ; 219.07,61.34 218.82,61.09 217.81,61.09 ; U96.4 111.12,237.35 111.94,238.17 115.42,238.17 115.87,237.72 116.93,237.72 118.43,236.22 U96.1 C46.1 ; v1(233.55,218.19) 259.7,218.19 v1(259.71,218.2) ; 228.85,28.32 U60.10 ; 228.85,28.32 228.85,28.96 ; 228.85,28.32 228.09,28.32 ; 228.85,28.32 229.24,27.94 ; U60.10 224.66,29.21 222.25,31.62 220.47,31.62 U60.4 ; U60.10 228.22,28.96 228.85,28.96 ; U60.10 227.67,29.21 227.37,29.51 ; v1(276.22,179.45) 276.22,178.18 v1(276.35,178.05) ; v1(276.22,179.45) v1(278.89,179.45) ; 162.18,218.19 163.07,218.19 163.83,217.42 R53.1 ; 162.18,218.19 157.73,218.19 ; C47.1 270.89,155.19 270.89,155.83 ; C47.1 272.06,154.02 ; 59.46,96.9 59.46,97.31 v1(59.56,97.41) 58.29,96.14 v1(54.84,96.14) ; 272.06,154.02 271.3,154.02 270.89,154.43 270.89,155.83 ; 272.06,154.02 274.92,154.02 ; 21.27,213.36 J12.3 26.03,213.36 27.3,212.09 28.32,212.09 ; 287.78,34.8 292.23,34.8 293.22,35.79 293.37,35.79 v1(293.37,36.51) ; 287.78,34.8 270.98,34.8 270.48,34.29 266.83,34.29 266.19,34.93 263.27,34.93 263.08,34.73 ; U30.16 175.64,111.76 ; U30.16 176.53,110.72 175.81,110.72 175.01,109.92 ; v1(300.35,154.05) 299.74,153.44 294.36,153.44 ; v1(300.35,154.05) 300.35,154.56 ; 189.71,214.66 189.39,214.66 187.55,216.5 ; 189.71,214.66 188.5,214.66 ; 183.47,78.45 183.62,78.61 188.09,78.61 ; 183.47,78.45 183.75,78.74 v1(186.94,78.74) 187.07,78.61 188.09,78.61 ; 183.47,78.45 177.2,78.45 ; 194.94,51.18 194.94,50.93 200.15,45.72 ; 233.55,143.64 233.55,143.96 233.45,144.06 233.45,145.01 233.17,145.29 231.52,145.29 231.46,145.22 231.46,143.83 ; 233.55,143.64 U27.26 ; 233.55,143.64 233.2,143.28 229.21,143.28 ; 253.49,196.6 254.63,196.6 254.76,196.47 ; 253.49,196.6 252.73,196.6 ; 253.49,196.6 254,196.09 ; 130.18,41.27 130.18,45.59 133.73,49.15 144.14,49.15 147.19,52.2 196.98,52.2 202.69,46.48 202.69,27.94 200.79,27.94 200.79,45.08 ; 130.18,41.27 130.81,41.27 C86.1 ; 130.18,41.27 132.46,41.27 132.46,45.93 132.49,45.95 ; 200.79,45.08 200.15,45.72 ; 200.79,45.08 201.93,43.94 ; 89.28,212.09 88.26,212.09 86.99,213.36 J9.3 79.38,213.36 78.1,212.09 70.74,212.09 ; J1.2 86.99,76.2 R42.2 88.26,74.93 J1.4 ; 290.07,200.03 290.7,199.39 ; C70.1 231.77,193.48 232.57,194.28 ; C70.1 232.57,191.3 232.57,192.62 ; C70.1 U43.20 233.68,190.5 232.57,191.61 232.57,192.62 ; 237.43,78.04 236.54,78.04 ; 237.43,78.04 237.43,77.91 237.5,77.84 238.75,77.84 ; 236.54,78.04 228.55,78.04 ; 218.82,175.26 214.76,175.26 213.36,173.86 212.04,173.86 212.03,173.85 195.82,173.85 195.33,173.35 ; 218.82,175.26 218.19,174.62 v1(216.66,174.62) 214.88,174.62 213.61,173.35 196.85,173.35 ; 218.82,175.26 220.73,177.16 v1(226.95,177.16) 226.95,176.78 226.44,176.28 223.06,176.28 222.75,176.59 221.42,176.59 218.95,174.12 215.14,174.12 213.74,172.72 179.07,172.72 178.44,173.35 ; 29.72,40.13 29.87,39.98 29.87,38.71 ; 29.72,40.13 30.56,39.29 ; 29.72,40.13 39.5,40.13 ; 29.72,40.13 U73.20 C42.1 21.47,41.91 16.34,47.03 15.22,47.03 14.6,47.65 14.6,48.01 ; 21.27,147.32 J12.29 26.03,147.32 27.3,146.05 ; C67.1 229.95,165.1 U88.14 ; 255.14,176.15 256.67,176.15 257.05,175.77 257.05,175.13 ; 255.14,176.15 254.17,175.18 C93.1 ; U23.16 173.71,109.5 170.41,109.5 ; U23.16 C54.1 ; 255.93,35.33 244.71,35.33 U15.40 ; 255.93,35.33 256.94,35.33 ; 187.55,216.5 187.55,215.93 ; 164.15,125.03 163.57,125.61 ; 164.15,125.03 164.09,125.09 159.51,125.09 158.24,126.37 158.24,127.38 158.76,127.89 158.76,128.26 ; 163.57,125.61 164.33,125.61 167.39,122.56 170.18,122.56 v1(170.31,122.68) ; 163.57,125.61 160.39,125.61 ; C48.1 270.94,175.18 269.88,174.12 263.91,174.12 263.91,174.24 263.53,174.62 ; C48.1 276.14,175.18 U90.14 ; 171.45,110.36 C54.1 ; 179.2,173.35 178.75,173.35 178.21,173.9 ; 179.2,173.35 178.44,173.35 ; 179.2,173.35 195.33,173.35 ; 240.29,77.84 238.75,77.84 ; 240.29,77.84 248.91,77.84 ; 252.73,196.6 252.35,196.22 250.32,196.22 ; 252.73,196.6 250.7,196.6 250.32,196.22 ; 126.3,63.5 v1(125.73,63.5) 123.82,63.5 ; 262.97,175.18 263.53,174.62 ; 262.97,175.18 262.43,175.72 ; 267.37,87.98 267.1,87.72 267.1,87.15 266.95,87 ; 267.37,87.98 266.95,87.56 266.95,87 ; 267.37,87.98 267.88,88.5 284.58,88.5 284.86,88.77 ; 181.99,219.46 v1(185.29,222.76) ; 261.49,35.56 259.59,35.56 ; 261.49,35.56 262.38,34.67 ; U15.40 C31.1 241.43,36.07 ; U15.40 242.44,36.07 241.43,36.07 ; v1(215.8,143.73) 215.52,143.45 215.52,142.24 215.77,141.99 ; v1(215.8,143.73) 215.8,142.78 ; v1(215.8,143.73) 216.26,143.28 229.21,143.28 ; 159.48,129.45 158.76,128.72 158.76,128.26 ; 134.37,222 128.4,222 127.89,222.5 ; 134.37,222 138.18,218.19 157.73,218.19 ; 134.37,222 133.86,222.5 ; C94.1 U19.18 ; 200.15,45.72 201.93,45.72 ; 185.65,165.25 185.65,165.82 185.49,165.98 185.49,166.3 185.65,166.14 ; 185.65,165.25 185.65,166.14 ; U29.20 248.45,146.52 249.95,146.52 C61.1 ; 70.74,146.05 78.36,146.05 79.63,147.32 J9.29 86.99,147.32 88.26,146.05 88.9,146.05 ; C96.1 U32.40 87.86,27.71 125.5,27.71 U32.24 ; 257.37,35.75 257.56,35.56 259.59,35.56 ; 257.37,35.75 256.94,35.33 ; 236.98,27.94 231.39,27.94 232.03,27.31 236.35,27.31 236.98,27.94 ; 236.98,27.94 237.05,27.87 ; 274.45,167.02 274.45,166.56 275.02,165.99 276.48,165.99 276.48,165.35 U65.14 274.7,165.1 ; 274.45,167.02 273.69,166.26 ; 228.09,28.32 227.37,29.04 227.37,29.51 ; 228.09,28.32 228.6,28.32 229.24,27.69 229.24,27.94 ; U58.4 206.12,31.75 206.12,32.51 ; U58.4 210.06,31.75 209.3,32.51 208.03,32.51 ; U58.4 212.47,31.75 ; U83.16 177.42,175.26 177.42,174.69 178.21,173.9 ; U83.16 C39.1 ; 121.28,63.5 121.55,63.77 123.56,63.77 123.82,63.5 ; 121.28,63.5 121.69,63.1 123.17,63.1 ; 121.28,63.5 123.82,63.5 ; 29.87,38.71 30.45,39.29 30.56,39.29 ; 29.87,38.71 28.58,37.42 28.58,36.06 28.83,35.81 ; 123.82,63.5 123.83,63.5 123.42,63.1 123.17,63.1 ; 123.82,63.5 124.46,62.87 ; 276.86,215.77 278.38,217.3 278.51,217.3 278.64,217.17 v1(278.89,217.17) ; 53.02,21.59 C45.1 U76.20 ; 39.37,40.77 39.5,40.64 39.5,40.13 ; v1(15.6,146.19) 13.48,146.19 13.33,146.05 9.78,146.05 ; 261.37,215.51 261.63,215.51 261.73,215.41 274.38,215.41 274.46,215.33 275.45,215.33 275.53,215.41 277.13,215.41 277.5,215.77 ; v1(171.58,78.49) 173.86,78.49 173.9,78.45 ; v1(171.58,78.49) 171.61,78.45 v1(172.81,78.45) 173.9,78.45 ; v1(171.58,78.49) 177.16,78.49 177.2,78.45 ; 233.52,195.23 232.57,194.28 ; 215.39,148.08 213.78,148.08 213.64,148.23 ; 215.39,148.08 U28.18 ; 258.44,174.5 257.81,175.13 257.05,175.13 